# Altium PCB UZ_D_Encoder.PcbDoc (part 2 of 5) (continued)
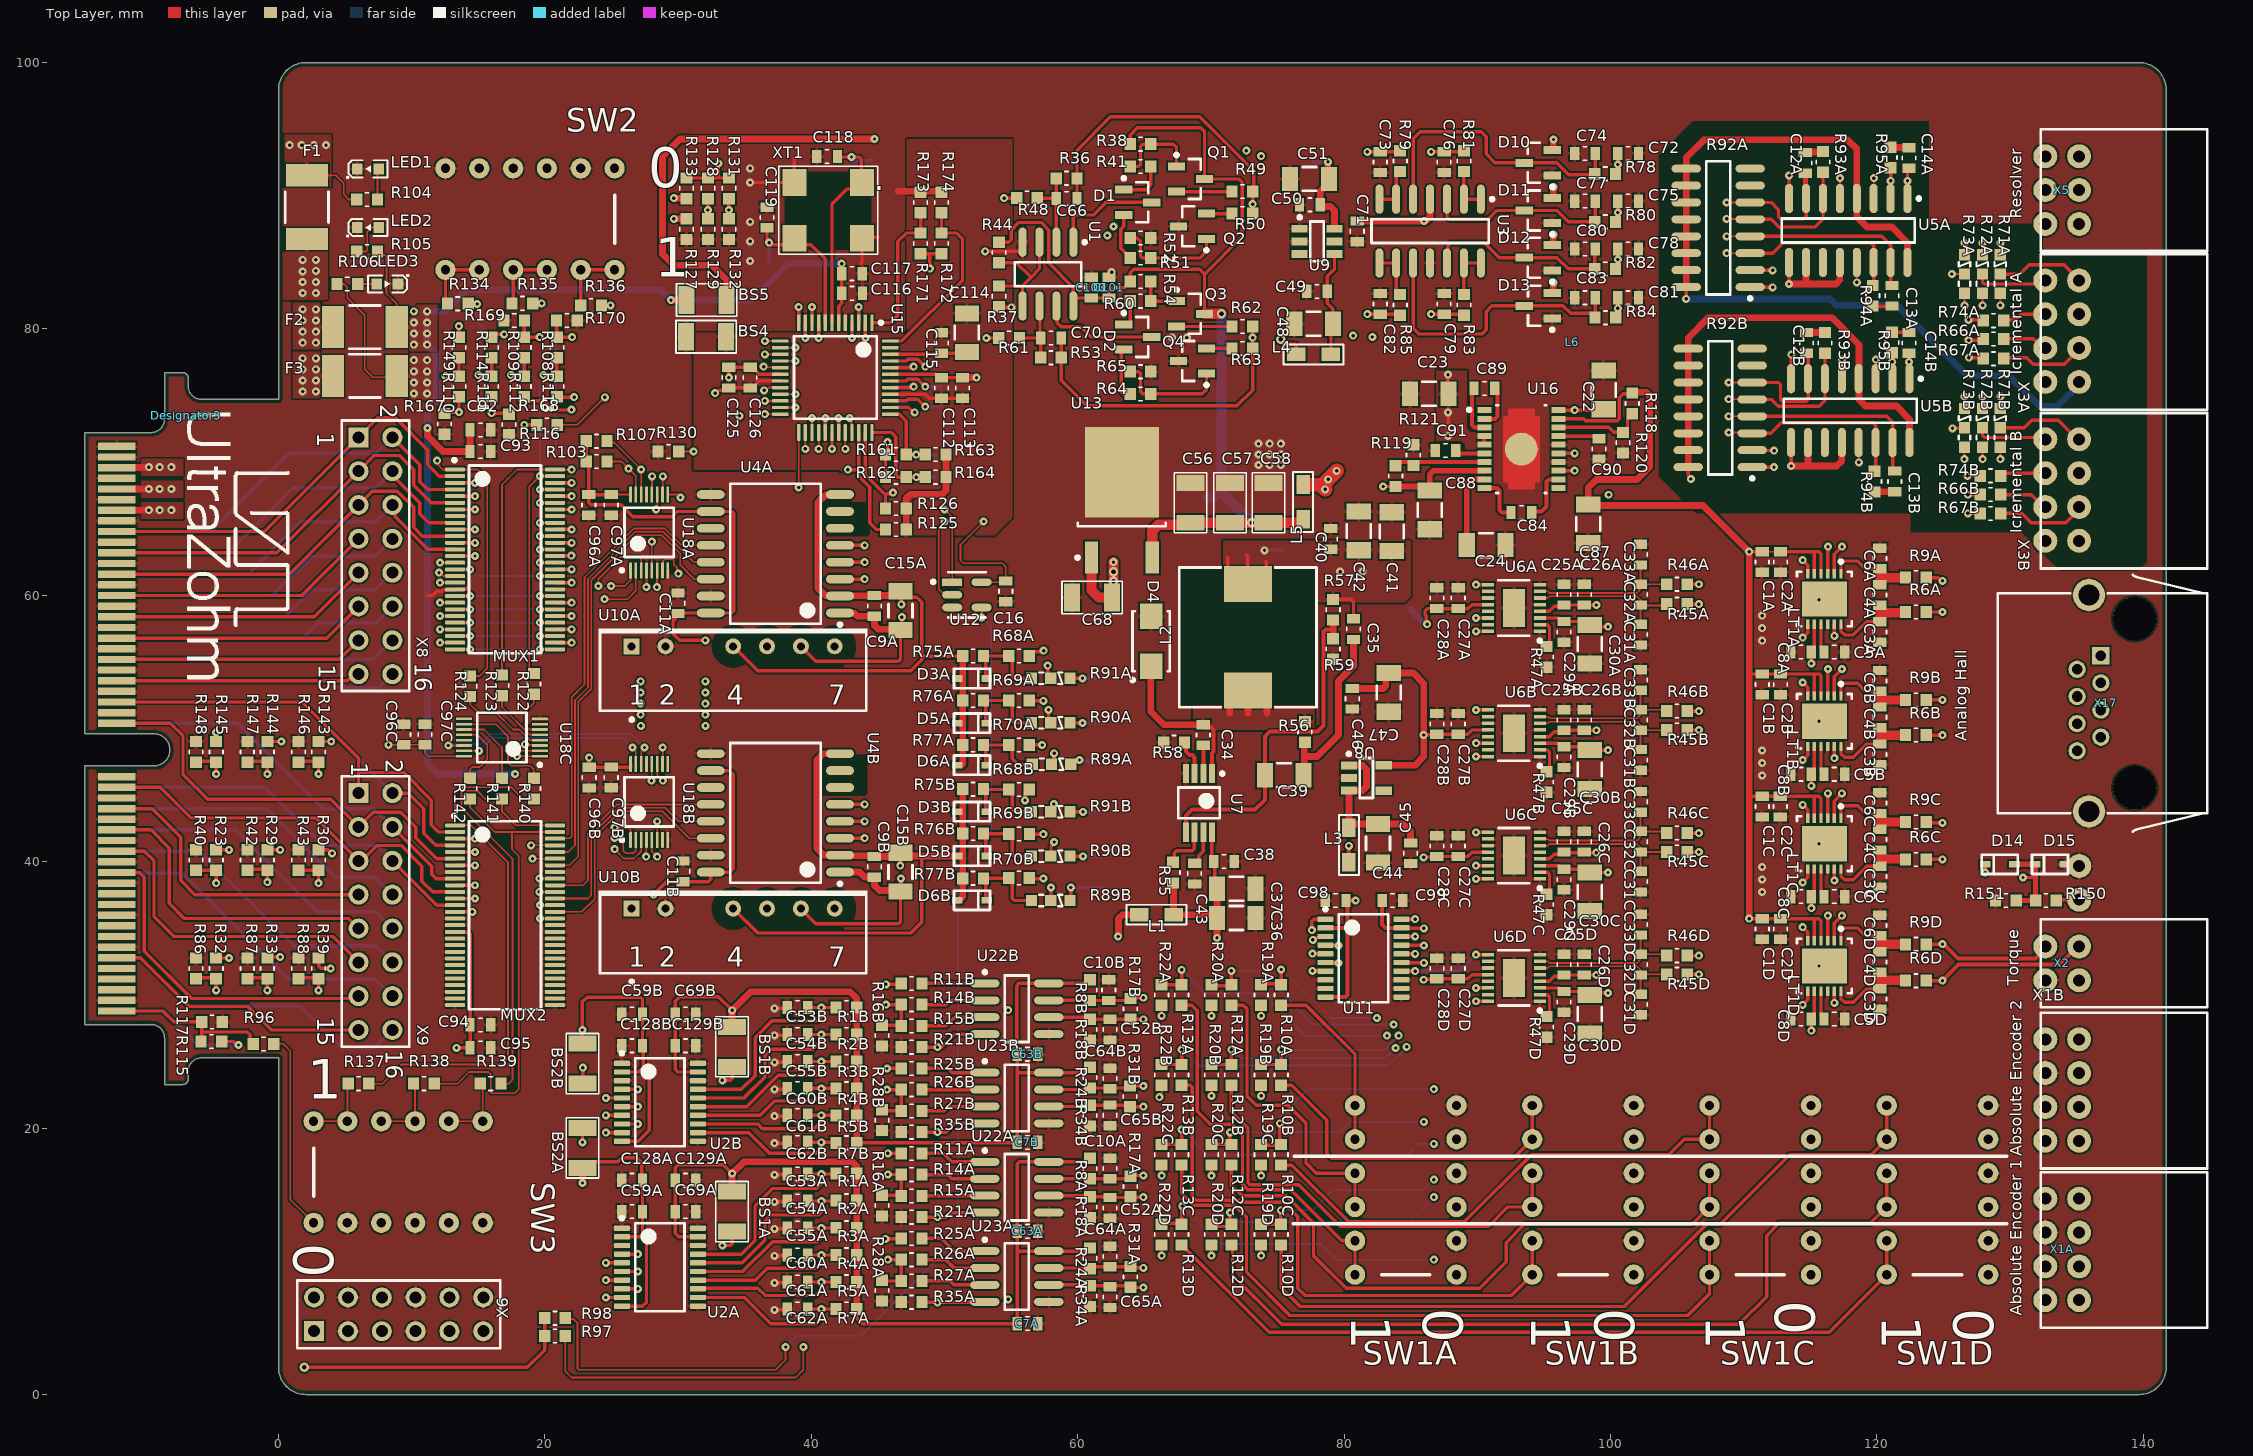
[diagram p0: Top Layer view]
## Part data (continued)
U13: library part CMP-0244-00186-1, "Precision 500mA Regulator, 12V, 3-Pin DPAK, Tape and Reel", ComponentLink1Description="Manufacturer URL", ComponentLink1URL=http://www.st.com, ComponentLink2Description=Datasheet, ComponentLink2URL=http://www.st.com/internet/com/TECHNICAL_RESOURCES/TECHNICAL_LITERATURE/DATASHEET/CD00000448.pdf, DatasheetVersion=1/11/2010, PackageDescription="3-Pin Transistor Outline Package 2.28 mm Pitch, 9.7 mm Lead Span (DPAK)", PackageReference=TO-252, PackageVersion=2011
U15: "Variable Resolution, 10-Bit to 16-Bit R/D Converter with Reference Oscillator", MPN=AD2S1210WDSTZRL7, Package=LQFP-48, Supplier Part Number 1=584-AD2S1210WDSTZR7, ComponentLink1Description=Datasheet, ComponentLink1URL=https://www.analog.com/media/en/technical-documentation/data-sheets/AD2S1210.pdf, Created=2019_04_20_AGeiger, MF="Analog Devices", Supplier 1=Mouser, Supplier 2=Digi-Key, Supplier Part Number 2=AD2S1210WDSTZRL7CT-ND
U16: library part CMP-09139-000006-1, "IC REG CHARG PUMP INV DL 20TSSOP", Manufacturer="Analog Devices Inc", Max Junction Temp=+150°C, Max Supply Voltage=32V, Min Supply Voltage=4.5V, Nominal Supply Current=3-3000uA, Output Voltage=1.2-32V, Package=FE-20-05-08-1663, Switching Frequency=50-500kHz, Temperature="-40°C to +125°C", Temperature Range High=+125°C, Temperature Range Low=-40°C, Automotive=No, Category=IC, ComponentLink2Description=Datasheet, ComponentLink2URL=https://www.analog.com/media/en/technical-documentation/data-sheets/3265fa.pdf, Device Class L1="Integrated Circuits (ICs)", Device Class L2="Power Management ICs", Device Class L3="Voltage Regulators - Switching", Digikey Description="IC REG CHARG PUMP INV DL 20TSSOP", Height=1.2mm, Ipc Land Pattern Name=SOP65P640X120-20, Lead Free=Yes, Manufacturer Part Number=LTC3265EFE#PBF, Mouser Description="Charge Pump INV/STPUP Automotive 20-Pin TSSOP EP Tube", Number Of Outputs=2, Octopart=https://octopart.com/ltc3265efe%23pbf-analog+devices-88944569, Output Type=AdjustableProgrammable, RoHS=TRUE, Standoff Height=0.05mm, Switching Topology=Buck-Boost
U18A U18B U18C: library part CMP-0314-00393-2, "Remote 8-Bit I2C and SMBus I/O Expander with Interrupt Output and Configuration Registers, 8 Outputs, 2.3 to 5.5 V, -40 to 85 degC, 16-pin TVSOP (DGV), Green (RoHS & no Sb/Br)", 5V Tolerant I/O=Yes, Manufacturer="Texas Instruments", Max Frequency(kHz)=400, # of I/Os=8, Code_JEDEC=MO-194, ComponentLink1Description=Datasheet, ComponentLink1URL=http://www.ti.com/general/docs/lit/getliterature.tsp?genericPartNumber=PCA9554A&fileType=pdf, ComponentLink2Description="Package Specification", ComponentLink2URL=http://www.ti.com/litv/pdf/msso002e, Configuration Registers=Yes, DatasheetVersion=SCPS127D, Eco-Plan="Green (RoHS & no Sb/Br)", fSCLK(Max)(MHz)="0.1, 0.4", I2C Address="0111 xxx", Interrupt Output=Yes, Mounting Technology="Surface Mount", No. of Outputs=8, PackageDescription="16-Pin Thin Shrink Small Outline Package 0.4 mm Pitch", PackageReference=DGV0016A, PackageVersion="revE, Aug-2000", PartNumber=PCA9554ADGVR, Push-Pull I/O Type=Yes, SubFamily="I2C IO Expander", Vcc range(V)="2.3 to 5.5", VCC(Max)(V)=5.5, VCC(Min)(V)=2.3
U22A U22B U23A U23B: library part "Transmisor RS485", "IC TRANSCEIVER HALF 1/1 8SOIC", Package=SOIC-8, Supplier Part Number 1=595-SN75HVD08DR, MF="Texas Instruments", MPN=SN75HVD08DR, Supplier 1=Mouser, Supplier 2=Digi-Key, Supplier Part Number 2=296-37893-1-ND
X1A X1B X3A X3B: library part "Conector 4x2 Horizontal", "CONN HEADER R/A 8POS 2.54MM Through Hole", Supplier Part Number 1=200-IPL110401LDRAK, MF=Samtec, MPN=IPL1-104-01-L-D-RA-K, Supplier 1=Mouser, Supplier 2=Digi-Key, Supplier Part Number 2=SAM9596-ND
X2: library part "Conector 2x2 Horizontal", "CONN HEADER R/A 4 POS 2.54MM Through Hole", Supplier Part Number 1=200-IPL110201LDRAK, MF=Samtec, MPN=IPL1-102-01-L-D-RA-K, Supplier 1=Mouser, Supplier 2=Digi-Key, Supplier Part Number 2=SAM8823-ND
X5: library part "Conector 3x2 Horizontal", "CONN HEADER R/A 6 POS 2.54MM Through Hole", Supplier Part Number 1=200-IPL110301LDRAK, MF=Samtec, MPN=IPL1-103-01-L-D-RA-K, Supplier 1=Mouser, Supplier 2=Digi-Key, Supplier Part Number 2=SAM9096-ND
X6: "Header, 6-Pin, Dual row", LatestRevisionDate=17-Jul-2002, LatestRevisionNote="Re-released for DXP Platform.", Publisher="Altium Limited"
X7: library part "Conector 1x2 Horizontal", "CONN HEADER R/A 2POS 2.54MM Through Hole", Supplier Part Number 1=200-IPL110201SSRAK, MF=Samtec, MPN=IPL1-102-01-S-S-RA-K, Supplier 1=Mouser, Supplier 2=Digi-Key, Supplier Part Number 2=SAM12667-ND
X8 X9: "Header, 8-Pin, Dual row", LatestRevisionDate=17-Jul-2002, LatestRevisionNote="Re-released for DXP Platform.", Publisher="Altium Limited"
X16: "Mating Card Layout for HSEC8-150-01-XX-DV-A-BL", Manufacturer=SAMTEC, Created=2018_04_23_AGeiger
X17: "Modular Jack WR-MJ, Tab Up, Shielded, with EMI Panel Finger, Horizontal Entry, THT, 8P8C", Contact Resistance=20mOhm, Operating Temperature=-40to85degC, Rated Current=1.5A, Supplier Part Number 1=710-615008140621, Withstanding Voltage=1000VAC, Working Voltage=120VAC, Compliance=Leadfree/RoHS, Datasheet URL=https://katalog.we-online.de/em/datasheet/615008140621.pdf, Entrance=Horizontal, Manufacturer URL=http://www.we-online.de, MF="Wurth Elektronik", Mounting Technology=THT, MPN=615008140621, Package Reference=615008140621, Packaging=Tray, Pin Number=8P8C, Port=1x1, Publisher=WurthElektronik, Supplier 1=Mouser, Supplier 2=Digi-Key, Supplier Part Number 2=732-2742-ND
XT1: library part Crystal_8MHz, "CRYSTAL 8MHZ 18PF SMD", Package=4-SMD, Supplier Part Number 1=520-80-18-30B-AGNT, MF=ECS, MPN=ECS-80-18-30B-AGN-TR, Supplier 1=Mouser, Supplier 2=Digi-Key, Supplier Part Number 2=XC2709CT-ND

## Via types
v1: diameter 0.6, hole 0.25, Top Layer to Bottom Layer, tented both sides, 586 vias
v2: diameter 0.7, hole 0.35, Top Layer to Bottom Layer, tented both sides, 6 vias

## Nets (pads, with @x,y where several pads share a name; then routed paths per layer and width w, separated by ;. In a path a pad name is that pad's centre, name@x,y a point inside that pad or via, vN(x,y) a via of type N, cw(c..) or ccw(c..) an arc to the next point about the centre after c; other vN are vias at no path point)
3V3_PER: F3.1 X16.13 X16.14 | length 24.7
  Top Layer w0.508: X16.13@-12.153,66.391 v1(-9.75,66.391)
  GND w0.508: v1(-9.75,66.391) -1.734,66.391 2.325,70.45 2.325,76.545
  Bottom Layer w0.508: X16.14@-12.153,66.391 v1(-9.75,66.391)
  other v1: -8.925,66.391 -8.05,66.391 1.8,75.3 2.8,75.3 1.8,76.134 2.8,76.134 1.8,76.967 2.8,76.967 1.8,77.8 2.8,77.8
3V3_PER_fused: BS2A.2 BS2B.2 C11A.2 C11B.2 C16.2 C96A.1 C96B.1 C96C.1 C97A.1 C97B.1 C97C.1 C98.1 C125.2 C126.2 D14.1 F3.2 R23.2 R29.2 R30.2 R32.1 R33.1 R39.1 R96.2 R103.1 R106.2 R107.2 R128.2 R131.2 R133.2 R143.1 R144.1 R145.1 R161.2 R162.2 R171.2 R172.2 SW1A.7 SW1A.9 SW1A.11 SW1B.7 SW1B.9 SW1B.11 SW1C.7 SW1C.9 SW1C.11 SW1D.7 SW1D.9 SW1D.11 SW2.7 SW2.9 SW2.11 SW3.7 SW3.9 SW3.11 U4A.10 U4A.16 U4B.10 U4B.16 U11.2 U11.10 U12.5 U15.18 U18A.16 U18B.16 U18C.16 X6.9 X6.10 | length 135
  Top Layer w0.127: R96.2@-0.357,26.324 0.343,26.324 0.875,25.792 0.875,14.64 SW3.7@2.625,12.89 ; R106.2@4.381,83.38 4.922,83.379 5.156,83.145 5.156,82.355 6.475,81.036 6.475,76.978 7.067,76.386 8.774,76.386 F3.2@8.865,76.477 ; v1(8.251,48.776) C96C.1@9.387,48.776 C97C.1@10.987,48.776 10.987,48.182 11.243,47.926 U18C.16@13.916,47.926 ; C97A.1@24.967,67.567 U18A.16@26.417,67.567 ; U12.5@52.775,60.991 54.507,60.991 C16.2@54.597,61.081 54.597,62.153 54.348,62.402 51.426,62.402 51.197,62.631 51.197,63.802 v1(52.939,65.544)
  Top Layer w0.254: R32.1@-4.688,32.775 v1(-3.721,32.775) ; R23.2@-4.688,40.9 v1(-3.721,40.9) ; R145.1@-4.688,49.025 v1(-4.688,49.7) ; R33.1@-0.85,32.85 v1(0.117,32.85) ; R29.2@-0.85,40.9 v1(0.117,40.9) ; R144.1@-0.85,49.025 v1(0.198,49.025) ; R39.1@3,32.775 3,32.149 3.158,31.991 v1(3.91,31.991) v1@3.843,32.057 ; R30.2@3,40.9 3.706,40.9 3.975,40.632 v1(4.015,40.632) ; R143.1@3,49.025 v1(3.952,49.025) ; v1(22.817,18.935) BS2A.2@22.817,20.013 ; v1(22.842,24.542) 22.842,23.464 BS2B.2@22.893,23.412 ; R107.2@23.1,71.575 R103.1@23.1,70.058 23.287,69.871 C96A.1@23.287,67.567 ; v1(23.317,47.815) C96B.1@23.317,47.09 26.398,47.09 26.425,47.117 U18B.16@26.425,47.34 ; C97A.1@24.967,67.567 C96A.1@23.287,67.567 ; v1(28.144,37.53) 29.124,38.51 C11B.2@30.363,38.51 32.267,38.51 32.447,38.69 U4B.16@32.447,39.225 33.864,39.225 34.13,39.491 34.13,46.557 33.842,46.845 U4B.10@32.447,46.845 ; 29.686,58.233 29.753,58.166 ; C11A.2@30.051,58.598 29.761,58.308 29.611,58.308 29.753,58.166 ; C11A.2@30.328,58.68 34.021,58.68 34.17,58.829 34.17,66.151 34.021,66.3 29.945,66.3 29.545,65.9 26.601,65.9 25.708,66.792 23.436,66.792 23.287,66.941 C96A.1@23.287,67.567 ; R133.2@30.621,91.34 R128.2@32.231,91.34 33.02,91.34 ; v1(32.037,56.625) 30.107,56.625 29.611,57.121 29.611,58.085 29.692,58.166 29.753,58.166 ; v1(33.02,92.429) 33.02,91.34 ; v1(33.808,76.352) C125.2@33.808,77.125 35.55,77.125 36.075,76.6 U15.18@37.675,76.6 ; R131.2@33.808,91.34 33.02,91.34 ; R162.2@45.568,68.875 R161.2@45.568,70.567 45.714,70.714 v1(45.714,71.5) ; R171.2@48.2,85.653 48.9,85.653 ; v1(48.9,84.524) 48.9,85.653 ; R172.2@49.775,85.653 48.9,85.653 ; v1(128.13,39.193) D14.1@128.13,39.804
  Top Layer w0.3: U11.10@78.6,29.834 80.093,29.834 80.269,30.01 80.269,36.958 C98.1@80.135,37.091 v1(80.86,37.091) ; U11.2@78.6,35.034 80.135,35.034
  other v1: 27.191,50.207 32.048,50.202 27.18,51.042 32.037,51.037 27.18,51.877 32.037,51.872 27.18,52.712 32.037,52.707 32.037,53.542 27.18,53.547 10.15,75.154 11.15,75.154 10.15,75.988 11.15,75.988 10.15,76.821 11.15,76.821 10.15,77.654 11.15,77.654
5V_PER: F2.1 X16.9 X16.10 | length 25.3
  Top Layer w0.508: X16.9@-12.153,67.991 v1(-9.75,67.991)
  VCC w0.508: v1(-9.75,67.991) v1(-8.925,67.991) -3.12,67.991 3.9,75.011 3.9,78.93
  Bottom Layer w0.508: X16.10@-12.153,67.991 v1(-9.75,67.991)
  other v1: -8.054,67.991 1.8,78.971 2.8,78.971 1.8,79.804 2.8,79.804 1.8,80.638 2.8,80.638 1.8,81.471 2.8,81.471
5V_PER_fused: BS1A.2 BS1B.2 BS5.2 C92.1 C93.1 C94.1 C95.1 C116.2 C117.2 F2.2 MUX1.17 MUX2.17 R105.2 U10A.1 U10B.1 U15.6 X6.5 X6.6 | length 242.6
  Top Layer w0.127: R105.2@7.42,85.819 7.681,85.558 7.98,85.558 8.095,85.443 8.095,82.661 8.865,81.891 F2.2@8.865,80.148 ; v1(12.042,61.705) 12.119,61.705 12.374,61.45 MUX1.17@13.25,61.45
  Top Layer w0.254: MUX2.17@13.25,34.735 13.273,34.712 14.226,34.712 14.375,34.563 C94.1@14.375,27.75 C95.1@14.375,26.025 v1(13.358,26.025) v1@13.325,25.992 ; v1(33.311,11.187) 33.899,11.187 34.048,11.336 BS1A.2@34.048,12.232 ; v1(33.312,23.588) 33.899,23.588 34.048,23.736 BS1B.2@34.048,24.633 ; U15.6@42.05,80.475 42.05,81.689 42.287,81.926 42.287,82.673 C116.2@42.29,82.676 42.283,82.683 42.283,84.146 C117.2@42.275,84.154 42.273,84.156 42.273,84.902 v1(42.27,84.904)
  Top Layer w0.508: v1(11.178,72.567) 11.178,71.959 12.336,70.8 C93.1@14.375,70.8 C92.1@14.375,72.425 ; v1(29.455,82.168) BS5.2@30.638,82.168 BS5.2@30.605,82.135
  GND w0.508: v1(17.757,46.593) 17.782,46.593 18.372,46.003 18.621,46.003
  GND w0.762: X6.6@7.745,7.29 X6.5@7.745,4.75 7.886,4.609 7.886,3.312 8.333,2.866 17.35,2.866 ; v1(13.358,26.025) 17.35,22.033 17.35,2.866 ; U10B.1@26.51,36.485 26.51,38.04 21.94,42.61 18.15,42.61 ; U10A.1@26.51,56.175 24.207,56.175 23.174,55.142 19.747,55.142 19.3,54.696 19.3,46.683 18.621,46.003 18.15,45.532 18.15,42.61 ; v1(33.312,23.588) 29.4,23.588 ; 17.35,2.866 27.341,2.866 33.311,8.836 v1(33.311,11.187) 29.4,15.098 29.4,23.588 ; 18.15,42.61 18.15,34.838 29.4,23.588
  Bottom Layer w0.127: 11.178,61.817 11.29,61.705 v1(12.042,61.705)
  Bottom Layer w0.508: v1(11.15,80.492) v1(11.15,78.825) 11.15,78.8 11.844,78.106 11.844,74.885 11.178,74.219 v1(11.178,72.567) 11.178,61.817 11.178,47.351 11.935,46.593 v1(17.757,46.593) ; v1(11.15,81.325) 12.447,81.325 14.062,82.94 28.684,82.94 v1(29.455,82.168) 35.523,82.168 38.25,84.895 41.767,84.895 41.804,84.858 41.832,84.886 42.253,84.886 v1(42.27,84.904)
  other v1: 10.15,78.825 10.15,79.658 11.15,79.658 10.15,80.492
75_DE1A: R15A.2 U22A.3 | length 4.7
  Top Layer w0.254: R15A.2@48.3,14.91 U22A.3@53.007,14.91
75_DE1B: R15B.2 U22B.3 | length 5
  Top Layer w0.254: R15B.2@48.3,27.675 50.106,27.675 50.758,28.327 U22B.3@53.024,28.327
75_DE2A: R27A.2 U23A.3 | length 4.8
  Top Layer w0.254: R27A.2@48.3,8.528 50.407,8.528 50.708,8.227 U23A.3@53.024,8.227
75_DE2B: R27B.2 U23B.3 | length 4.9
  Top Layer w0.254: R27B.2@48.3,21.293 49.977,21.293 50.311,21.627 U23B.3@53.024,21.627
75_R\E\1A: R14A.2 U22A.2 | length 4.9
  Top Layer w0.254: R14A.2@48.3,16.506 50.227,16.506 50.536,16.197 U22A.2@53.024,16.197
75_R\E\1B: R14B.2 U22B.2 | length 4.9
  Top Layer w0.254: R14B.2@48.3,29.271 50.095,29.271 50.421,29.597 U22B.2@53.024,29.597
75_R\E\2A: R26A.2 U23A.2 | length 5
  Top Layer w0.254: R26A.2@48.3,10.123 50.082,10.123 50.708,9.497 U23A.2@53.024,9.497
75_R\E\2B: R26B.2 U23B.2 | length 4.7
  Top Layer w0.254: R26B.2@48.3,22.889 51.789,22.889 51.797,22.897 U23B.2@53.024,22.897
75_RO1A: R11A.2 U22A.1 | length 5
  Top Layer w0.254: R11A.2@48.3,18.102 49.901,18.102 50.536,17.467 U22A.1@53.024,17.467
75_RO1B: R11B.2 U22B.1 | length 4.7
  Top Layer w0.254: R11B.2@48.3,30.867 U22B.1@53.024,30.867
75_RO2A: R25A.2 U23A.1 | length 5.1
  Top Layer w0.254: R25A.2@48.3,11.719 49.756,11.719 50.708,10.767 U23A.1@53.024,10.767
75_RO2B: R25B.2 U23B.1 | length 4.9
  Top Layer w0.254: R25B.2@48.3,24.484 50.272,24.484 50.589,24.167 U23B.1@53.024,24.167
+3V3_A_EA: BS2A.1 C59A.1 C128A.1 U2A.2 U2A.10 X1A.3 | length 160.8
  Top Layer w0.25: BS2A.1@22.817,17.013 23.271,17.467 25.472,17.467 25.773,17.768 26.909,17.768 27.273,17.404 27.273,16.132 C128A.1@27.323,16.082 C59A.1@27.323,13.732 27.323,12.012 ; U2A.10@25.773,6.637 27.314,6.637 27.621,6.944 27.621,11.714 27.323,12.012 ; U2A.2@25.773,11.837 27.148,11.837 27.323,12.012
  Top Layer w0.508: v1(22.817,15.882) BS2A.1@22.817,17.013
  VCC w0.508: v1(22.817,15.882) 30.273,15.882 34.048,12.107 34.048,3.158 36.286,0.92 135.62,0.92 140.15,5.45 140.15,9.191 137.179,12.162 X1A.3@135.186,12.162
+3V3_A_EB: BS2B.1 C59B.1 C128B.1 U2B.2 U2B.10 X1B.3 | length 185.1
  Top Layer w0.25: BS2B.1@22.809,26.339 22.809,29.481 ; v1(22.809,27.362) 22.809,29.481 ; U2B.10@25.773,19.012 26.998,19.012 27.825,19.839 27.825,24.118 27.375,24.568 ; U2B.2@25.773,24.212 27.019,24.212 27.375,24.568 ; 22.809,29.481 23.16,29.832 27.148,29.832 27.323,29.657 C59B.1@27.323,28.557 C128B.1@27.323,26.182 27.375,26.13 27.375,24.568
  VCC w0.508: v1(22.809,27.362) 32.598,27.362 35.318,24.641 35.318,3.684 36.812,2.19 128.794,2.19 131.365,4.762 131.365,15.233 132.992,16.859 138.311,16.859 139.244,17.792 139.244,22.065 137.179,24.13 X1B.3@135.186,24.13
+5V_A_EA: BS1A.1 C7A.1 C63A.1 C69A.1 C129A.1 R1A.2 R2A.2 R3A.2 R4A.2 R5A.2 R7A.2 R8A.2 R24A.2 U2A.19 U22A.8 U23A.8 X1A.5 | length 196.7
  Top Layer w0.25: U2A.19@31.473,11.837 30.027,11.837 29.773,12.091 C69A.1@29.773,13.732 C129A.1@29.773,16.082 29.773,17.032 30.003,17.262 33.375,17.262 v1(34.048,16.589) ; C7A.1@55.449,5.324 55.449,10.767 ; R24A.2@60.924,11.003 60.688,10.767 U23A.8@57.824,10.767 55.449,10.767 ; R8A.2@60.924,17.741 60.65,17.467 U22A.8@57.824,17.467 55.595,17.467 55.449,17.321 C63A.1@55.449,12.25 55.449,10.767
  Top Layer w0.254: R7A.2@43.401,6.428 43.401,5.728 43.805,5.324 C7A.1@55.449,5.324
  Top Layer w0.508: BS1A.1@34.048,15.232 v1(34.048,16.589) 34.926,17.467 43.103,17.467 43.401,17.169 R1A.2@43.401,16.582 R2A.2@43.401,14.551 R3A.2@43.401,12.52 R4A.2@43.401,10.489 R5A.2@43.401,8.458 R7A.2@43.401,6.428
  VCC w0.508: v1(34.048,16.589) 34.048,13.005 34.683,12.37 34.683,3.421 36.549,1.555 135.357,1.555 139.075,5.273 139.075,7.726 137.179,9.622 X1A.5@135.186,9.622
+5V_A_EB: BS1B.1 C7B.1 C63B.1 C69B.1 C129B.1 R1B.2 R2B.2 R3B.2 R4B.2 R5B.2 R7B.2 R8B.2 R24B.2 U2B.19 U22B.8 U23B.8 X1B.5 | length 216.4
  Top Layer w0.25: U2B.19@31.473,24.212 29.98,24.212 29.773,24.419 C129B.1@29.773,26.182 C69B.1@29.773,28.557 29.773,29.514 30.134,29.875 33.02,29.875 v1(34.048,28.847) ; 55.449,24.167 U23B.8@57.824,24.167 60.506,24.167 60.899,24.56 R24B.2@60.924,24.56 ; C63B.1@55.449,25.542 55.419,25.572 55.419,30.7 55.586,30.867 U22B.8@57.824,30.867 60.657,30.867 R8B.2@60.924,31.134
  Top Layer w0.254: R7B.2@43.401,18.9 55.419,18.9 C7B.1@55.449,18.93 55.449,24.167 C63B.1@55.449,25.542
  Top Layer w0.508: BS1B.1@34.048,27.607 v1(34.048,28.847) 35.436,30.235 42.92,30.235 43.401,29.754 R1B.2@43.401,29.054 R2B.2@43.401,27.023 R3B.2@43.401,24.992 R4B.2@43.401,22.961 R5B.2@43.401,20.931 R7B.2@43.401,18.9
  VCC w0.508: v1(34.048,28.847) 35.953,26.942 35.953,3.947 37.075,2.825 128.531,2.825 130.686,4.98 130.686,15.451 132.729,17.494 137.676,17.494 138.609,18.427 138.609,20.4 137.436,21.573 135.203,21.573 X1B.5@135.186,21.59
+5V_RESOLVER: BS5.1 C71.1 C112.1 C113.1 D10.2 D11.2 D12.2 D13.2 U3.4 U15.43 | length 136.2
  Top Layer w0.254: U15.43@45.925,76.6 49.375,76.6 49.625,76.35 C112.1@49.775,76.35 C113.1@51.351,76.35
  Top Layer w0.5: D12.2@95.62,86.301 95.653,86.301 95.703,86.351 95.703,87.082 v1(95.722,87.101) ; D11.2@95.62,89.85 95.653,89.85 95.703,89.9 95.703,90.63 v1(95.722,90.65) ; D10.2@95.62,93.424 95.653,93.424 95.703,93.474 95.703,94.205 v1(95.722,94.224) ; D13.2@95.627,82.69 95.66,82.69 95.71,82.74 95.71,83.47 v1(95.729,83.49)
  Top Layer w0.508: BS5.1@33.638,82.168 33.638,83.697 32.555,84.779 29.675,84.779 28.825,85.629 28.825,91.34 28.825,92.952 30.137,94.265 v1(44.74,94.265) ; C113.1@51.351,76.35 v1(52.4,76.35) ; C71.1@80.977,88.111 v1(86,88.111) 86.164,88.111 86.45,88.397 U3.4@86.45,89.751
  GND w0.508: v1(52.4,76.35) 84.58,76.35 91.72,83.49 v1(95.729,83.49) v1@95.725,83.493 ; v1(86,88.111) 94.712,88.111 v1(95.722,87.101) ; v1(95.722,94.224) v1@95.725,94.22
  VCC w0.508: v1(44.74,94.265) 51.351,87.654 51.351,77.373 51.71,77.013 51.712,77.013 52.375,76.35 v1(52.4,76.35) ; v1@95.725,83.493 v1@95.725,94.22
+12V: C56.1 C57.1 C58.1 C100.1 C101.1 L5.1 Q1.3 Q3.3 R37.2 R38.2 R54.2 TP19.1 U1.8 U13.3 | length 79.8
  Top Layer w0.25: R37.2@54.077,86.52 54.815,86.52 55.01,86.715 55.01,87.427 55.583,88 57.25,88 57.822,87.428 57.822,84.958 59.665,83.115 U1.8@59.665,81.72 ; U1.8@59.732,82.236 59.827,82.331 C100.1@61.025,82.331 C101.1@62.35,82.331 62.35,82.959 62.496,83.106 63.506,83.106 63.938,83.538 R54.2@63.938,83.563 ; 63.938,84.013 63.938,84.208 64.216,84.486 69.143,84.486 69.518,84.11 ; R38.2@63.938,93.878 63.938,94.559 64.481,95.102 69.217,95.102 69.518,94.8 Q1.3@69.518,91.263 72.106,91.263 72.356,91.013 72.356,86.948 69.518,84.11 ; Q3.3@69.518,81.14 69.518,84.11
  Top Layer w0.762: U13.3@65.591,62.836 65.591,64.856 66.038,65.303 68.322,65.303 C56.1@68.472,65.453 C57.1@71.422,65.453 v2(73.072,65.453) C58.1@74.316,65.453 76.804,65.453 76.923,65.572 L5.1@76.923,65.722 ; Q3.3@69.518,81.14 v2(70.788,81.14)
  Bottom Layer w0.762: TP19.1@69.692,67.28 69.737,67.325 70.096,67.325 70.507,67.737 70.788,67.737 ; v2(70.788,81.14) 70.788,67.737 ; v2(73.072,65.453) 70.788,67.737
+12V_FILT: C23.2 L5.2 U16.4 U16.5 U16.15 | length 32.5
  Top Layer w0.25: U16.5@90.532,71.309 U16.4@90.532,71.959
  Top Layer w0.254: v1@87.787,76.572 87.787,75.176 C23.2@87.834,75.129 ; v1(87.8,73.739) 87.828,73.71 87.828,72.982 87.857,72.953 87.828,72.925 v1@87.828,72.019 ; U16.15@96.082,70.659 v1(97.305,70.659)
  Top Layer w0.762: v1(78.579,67.966) 78.579,68.487
  Top Layer w1.016: L5.2@76.923,68.322 76.923,68.313 76.931,68.305 78.24,68.305
  Top Layer w1.1: 78.24,68.305 v1(78.579,67.966) ; 78.579,68.487 v1(78.807,68.715) v1(79.443,69.351)
  GND w1.016: v1@79.433,69.361 81.767,71.695 87.787,71.695 88.823,70.659 v1(97.305,70.659) ; v1(87.8,73.739) v1@87.8,76.559
  GND w1.1: v1(78.579,67.966) 78.579,68.487 v1(78.807,68.715) v1(79.443,69.351)
  other v1: 87.8,71.959 87.8,76.572
+15_DIFF: C1A.1 C1B.1 C1C.1 C1D.1 C2A.1 C2B.1 C2C.1 C2D.1 C87.2 LT1A.4 LT1A.5 LT1B.4 LT1B.5 LT1C.4 LT1C.5 LT1D.4 LT1D.5 R118.2 U16.19 | length 96.3
  Top Layer w0.127: C1A.1@111.387,63.284 C2A.1@112.76,63.284
  Top Layer w0.25: v1(110.412,35.726) C1D.1@111.387,35.726 C2D.1@112.76,35.726 115.3,35.726 ; 110.412,44.912 C1C.1@111.387,44.912 115.3,44.912 ; 110.412,54.098 C1B.1@111.387,54.098 C2B.1@112.76,54.098 115.3,54.098 ; v1(110.412,63.284) C1A.1@111.387,63.284 ; C2A.1@112.76,63.284 115.3,63.284 ; LT1D.5@115.3,34.074 115.3,35.726 ; LT1C.5@115.3,43.26 115.3,44.912 ; LT1B.5@115.3,52.446 115.3,54.098 ; LT1A.5@115.3,61.633 115.3,63.284 ; LT1D.4@115.8,34.074 115.8,35.581 115.655,35.726 115.3,35.726 ; LT1C.4@115.8,43.26 115.8,44.767 115.655,44.912 115.3,44.912 ; LT1B.4@115.8,52.446 115.8,53.953 115.655,54.098 115.3,54.098 ; LT1A.4@115.8,61.633 115.8,63.139 115.655,63.284 115.3,63.284
  Top Layer w0.254: U16.19@96.082,73.259 97.979,73.259 98.128,73.11 100.499,73.11 100.648,73.259 100.648,74.845 100.95,75.147 101.584,75.147 R118.2@101.681,75.244
  Top Layer w0.508: R118.2@101.681,75.244 102.705,75.244 102.95,74.999 102.95,69.672 101.987,68.709 98.952,68.709 98.324,68.081 C87.2@98.324,66.822 98.396,66.75 106.947,66.75 v1(110.412,63.284) 110.412,54.098 110.412,44.912 v1(110.412,35.726)
+24V: X2.3
-15V_DIFF: C88.2 LT1A.13 LT1B.13 LT1C.13 LT1D.13 R119.2 U16.8 | length 72.8
  Top Layer w0.25: v1(82.927,68.174) R119.2@83.867,68.174
  Top Layer w0.254: C88.2@86.11,68.174 C88.2@86.423,67.861
  Top Layer w0.42: R119.2@83.867,68.174 C88.2@86.11,68.174 ; C88.2@86.423,67.861 86.423,69.06 86.722,69.359 U16.8@90.532,69.359
  VCC w0.25: v1(82.927,68.174) 103.981,68.174 112.48,59.675 v1(115.65,59.675)
  VCC w0.254: v1(115.65,32.175) v1(115.65,41.36) v1(115.65,50.546) v1(115.65,59.675)
\R\D\: R128.1 R129.2 R149.2 U15.3 | length 48.4
  Top Layer w0.25: v1(13.528,80.215) 13.528,79.406 R149.2@13.545,79.39 ; R129.2@32.231,88.265 v1(32.231,88.94) R128.1@32.231,89.79 ; U15.3@43.55,80.475 v1(43.55,81.654)
  GND w0.127: v1(13.528,80.215) 13.528,82.759 13.914,83.145 25.314,83.145 26.825,84.656 26.825,88.225 28.918,90.318 30.853,90.318 v1(32.231,88.94)
  VCC w0.127: v1(32.231,88.94) 32.979,88.94 33.531,89.492 34.183,89.492 35.712,89.492 37.356,87.848 37.356,85.767 37.512,85.61 42.706,85.61 43.55,84.766 v1(43.55,81.654)
\Resolver_CS: R116.2 R127.1 U15.2 | length 48.8
  Top Layer w0.127: R116.2@20.92,72.8 22.425,72.8 v1(24.492,74.867)
  Top Layer w0.25: U15.2@44.05,80.475 44.05,79.341 v1(44.068,79.324)
  Top Layer w0.508: v1(29.675,88.275) R127.1@30.556,88.275
  GND w0.127: v1(24.492,74.867) 24.492,77.523 27.607,80.638 42.052,80.638 42.403,80.989 ; v1(29.675,88.275) 29.675,84.521 30.396,83.799 39.592,83.799 42.403,80.989 ; v1(44.068,79.324) 42.403,80.989
\S\O\E\: R131.1 R132.2 U15.9 | length 17.5
  Top Layer w0.25: R132.2@33.808,88.265 v1(33.808,88.94) R131.1@33.808,89.79 ; v1(40.55,79.324) U15.9@40.55,80.475
  VCC w0.127: v1(33.808,88.94) 33.808,82.592 36.05,80.35 40.404,80.35 40.55,80.204 v1@40.55,79.45
A: R110.2 R167.2 U15.29 | length 38.8
  Top Layer w0.25: R167.2@12.45,73.65 12.56,73.76 v1(13.545,73.76) R110.2@13.545,74.911 ; U15.29@41.05,72.225 v1(41.05,73.3)
  VCC w0.127: v1@13.627,73.842 v1(13.545,73.76) 13.545,77.082 14.758,78.295 17.354,78.295 19.207,80.148 22.485,80.148 29.824,72.81 40.56,72.81 v1(41.05,73.3)
A0: R143.2 R146.1 U18C.1 | length 20.8
  Top Layer w0.127: v1(17.897,47.924) 17.898,47.925 19.615,47.925 U18C.1@19.616,47.926
  Top Layer w0.25: R146.1@1.482,47.55 3,47.55 R143.2@3,47.475 v1(3,46.593)
  VCC w0.127: v1(3,46.593) 5.774,49.367 16.432,49.367 17.554,48.245 17.58,48.245 17.897,47.928 v1(17.897,47.924)
A0A: R23.1 R40.2 U18A.1 | length 70.7
  Top Layer w0.127: v1(24.967,60.704) 25.99,60.704 26.425,61.14 U18A.1@26.425,61.875
  Top Layer w0.25: R40.2@-6.206,39.35 R23.1@-4.688,39.35 v1(-4.688,38.393)
  VCC w0.127: v1(-4.688,38.393) -4.635,38.34 -1.64,38.34 4.4,32.3 4.4,26.249 4.882,25.767 9.764,25.767 17.949,33.951 20.31,33.951 22.008,35.649 22.008,53.258 24.967,56.217 v1(24.967,60.704)
A0B: R32.2 R86.1 U18B.1 | length 49.3
  Top Layer w0.127: v1(25.225,42.573) 26.296,42.573 26.425,42.444 U18B.1@26.425,41.64
  Top Layer w0.25: R86.1@-6.206,31.3 -4.688,31.3 R32.2@-4.688,31.225 v1(-4.688,30.343)
  VCC w0.127: v1(-4.688,30.343) -1.544,30.343 -0.799,31.088 3.308,31.088 4.146,30.25 4.146,26.144 4.777,25.513 9.87,25.513 18.054,33.697 20.416,33.697 22.262,35.544 22.262,40.203 24.632,42.573 v1(25.225,42.573)
A1: R144.2 R147.1 U18C.2 | length 24.7
  Top Layer w0.127: v1(17.757,48.735) 17.779,48.735 18.188,48.326 U18C.2@19.616,48.326
  Top Layer w0.25: R147.1@-2.368,47.55 -0.85,47.55 R144.2@-0.85,47.475 v1(-0.85,46.593)
  VCC w0.127: v1(-0.85,46.593) 2.178,49.621 16.897,49.621 17.757,48.761 v1(17.757,48.735)
A1A: R29.1 R42.2 U18A.2 | length 67.4
  Top Layer w0.127: v1(24.471,59.719) 24.487,59.704 26.195,59.704 26.825,60.334 U18A.2@26.825,61.875
  Top Layer w0.25: R42.2@-2.368,39.425 -0.85,39.425 R29.1@-0.85,39.35 v1(-0.85,38.468)
  VCC w0.127: v1(-0.85,38.468) -0.85,37.941 4.654,32.437 4.654,26.354 4.987,26.021 9.659,26.021 17.843,34.205 20.205,34.205 21.754,35.754 21.754,53.363 24.471,56.081 v1(24.471,59.719)
A1B: R33.2 R87.1 U18B.2 | length 46.5
  Top Layer w0.127: v1(25.225,41.801) 25.226,41.799 25.791,41.799 25.875,41.715 25.875,40.834 26.078,40.632 26.633,40.632 26.825,40.824 U18B.2@26.825,41.64
  Top Layer w0.25: R87.1@-2.368,31.3 -0.85,31.3 R33.2@-0.85,31.225 v1(-0.85,30.343)
  VCC w0.127: v1(-0.85,30.343) 2.306,30.343 2.797,30.834 3.203,30.834 3.892,30.145 3.892,26.038 4.671,25.259 9.975,25.259 18.159,33.443 20.521,33.443 22.516,35.438 22.516,40.098 24.218,41.801 v1(25.225,41.801)
A2: R145.2 R148.1 U18C.3 | length 28.6
  Top Layer w0.127: v1(18.484,48.817) 18.538,48.763 19.58,48.763 U18C.3@19.616,48.726
  Top Layer w0.25: R148.1@-6.206,47.55 -4.688,47.55 R145.2@-4.688,47.475 v1(-4.688,46.593)
  VCC w0.127: v1(-4.688,46.593) -1.407,49.875 17.334,49.875 18.393,48.817 v1(18.484,48.817)
A2A: R30.1 R43.2 U18A.3 | length 67.1
  Top Layer w0.127: v1(24.003,60.709) 24.003,61.22 25.658,62.875 27.116,62.875 27.225,62.766 U18A.3@27.225,61.875
  Top Layer w0.25: R43.2@1.482,39.35 R43.2@1.5,39.35 R30.1@3,39.35 v1(3,38.393)
  VCC w0.127: v1(3,38.393) 3,34.45 4.908,32.542 4.908,26.459 5.092,26.275 9.554,26.275 17.738,34.459 20.1,34.459 21.5,35.859 21.5,53.468 23.981,55.949 23.981,60.687 v1(24.003,60.709)
A2B: R39.2 R88.1 U18B.3 | length 41.8
  Top Layer w0.127: v1(25.225,40.94) 25.921,40.244 26.677,40.244 27.225,40.793 U18B.3@27.225,41.64
  Top Layer w0.25: R88.1@1.482,31.3 3,31.3 R39.2@3,31.225 v1(3,30.343)
  VCC w0.127: v1(3,30.343) 3.638,29.705 3.638,25.933 4.566,25.005 10.08,25.005 18.259,33.184 20.621,33.184 22.77,35.333 22.77,39.993 23.717,40.94 v1(25.225,40.94)
AD2_REFBYP: C114.1 C115.1 U15.46 | length 5.8
  Top Layer w0.254: U15.46@45.925,78.1 49.7,78.1 C115.1@49.775,78.175 51.575,78.175 C114.1@51.675,78.275
ADC1_IN_N1: R9A.1 X17.2 | length 14.2
  Top Layer w0.254: R9A.1@123.703,61.332 124.591,61.332 124.832,61.091 v1(124.926,61.091)
  VCC w0.254: v1(124.926,61.091) 127.454,61.091 134.095,54.45 X17.2@135.034,54.45
ADC1_IN_N2: R9B.1 X17.6 | length 11.8
  Top Layer w0.254: R9B.1@123.778,52.152 v1(124.926,52.152) v1@125.001,52.152
  VCC w0.254: v1(124.926,52.152) 132.313,52.152 134.143,50.322 X17.6@134.783,50.322
ADC1_IN_N3: R9C.1 X17.5 | length 16.9
  Top Layer w0.254: R9C.1@123.778,42.927 v1(124.926,42.927) v1@125.001,42.927
  VCC w0.254: v1(124.926,42.927) 126.177,42.927 132.525,49.275 135.218,49.275 135.938,49.996 135.938,50.514 X17.5@136.814,51.39
ADC1_IN_N4: R9D.1 X2.2 X17.8 | length 30.4
  Top Layer w0.254: R9D.1@123.778,33.817 v1(124.926,33.817)
  Top Layer w0.3: v1(124.926,33.817) 125.007,33.817 126.1,32.725 131.892,32.725 X2.2@132.564,33.397
  GND w0.3: v1(124.926,33.817) 125.768,32.975 126.175,32.975 132.92,39.72 132.92,45.135 135,47.214 X17.8@135,48.593
ADC1_IN_P1: R6A.1 X17.1 | length 14.2
  Top Layer w0.254: R6A.1@123.778,58.753 v1(124.926,58.753) v1@125.001,58.753
  GND w0.254: v1(124.926,58.753) 127.375,56.304 128.209,55.47 X17.1@136.566,55.47
ADC1_IN_P2: R6B.1 X17.3 | length 14.7
  Top Layer w0.254: R6B.1@123.778,49.507 v1(124.926,49.507) v1@125.001,49.507
  GND w0.254: v1(124.926,49.507) 127.594,49.507 131.517,53.43 X17.3@136.814,53.43
ADC1_IN_P3: R6C.1 X17.4 | length 21.8
  Top Layer w0.254: R6C.1@123.778,40.177 v1(124.926,40.177) v1@125.001,40.177
  GND w0.254: v1(124.926,40.177) 128.852,40.177 130.825,42.15 130.825,51.39 131.845,52.41 X17.4@135.034,52.41
ADC1_IN_P4: R6D.1 X2.1 X17.7 | length 36.1
  Top Layer w0.254: R6D.1@123.778,31.067 v1(124.926,31.067)
  Top Layer w0.3: v1(124.926,31.067) 126.136,32.277 133.702,32.277 X2.1@135.297,33.872
  GND w0.254: v1(124.926,31.067) 124.99,31.067 133.324,39.402 133.324,44.649 136.917,48.242 X17.7@136.917,49.442
ADC_A0A: LT1A.2 R10A.2 R19A.2 | length 136.1
  Top Layer w0.25: LT1A.2@116.8,61.633 116.8,63.08 v1(117.377,63.657)
  Top Layer w0.254: R19A.2@73.774,30.85 75.274,30.85 v1(75.274,31.906)
  VCC w0.127: v1(82.451,28.265) 82.451,7.849 86.1,4.2 119.983,4.2 123.075,7.292 123.075,57.959 v1(117.377,63.657)
  Bottom Layer w0.127: v1(75.274,31.906) 75.333,31.906 78.973,28.265 v1(82.451,28.265)